# KiCad board hackrf-one.kicad_pcb (continued)
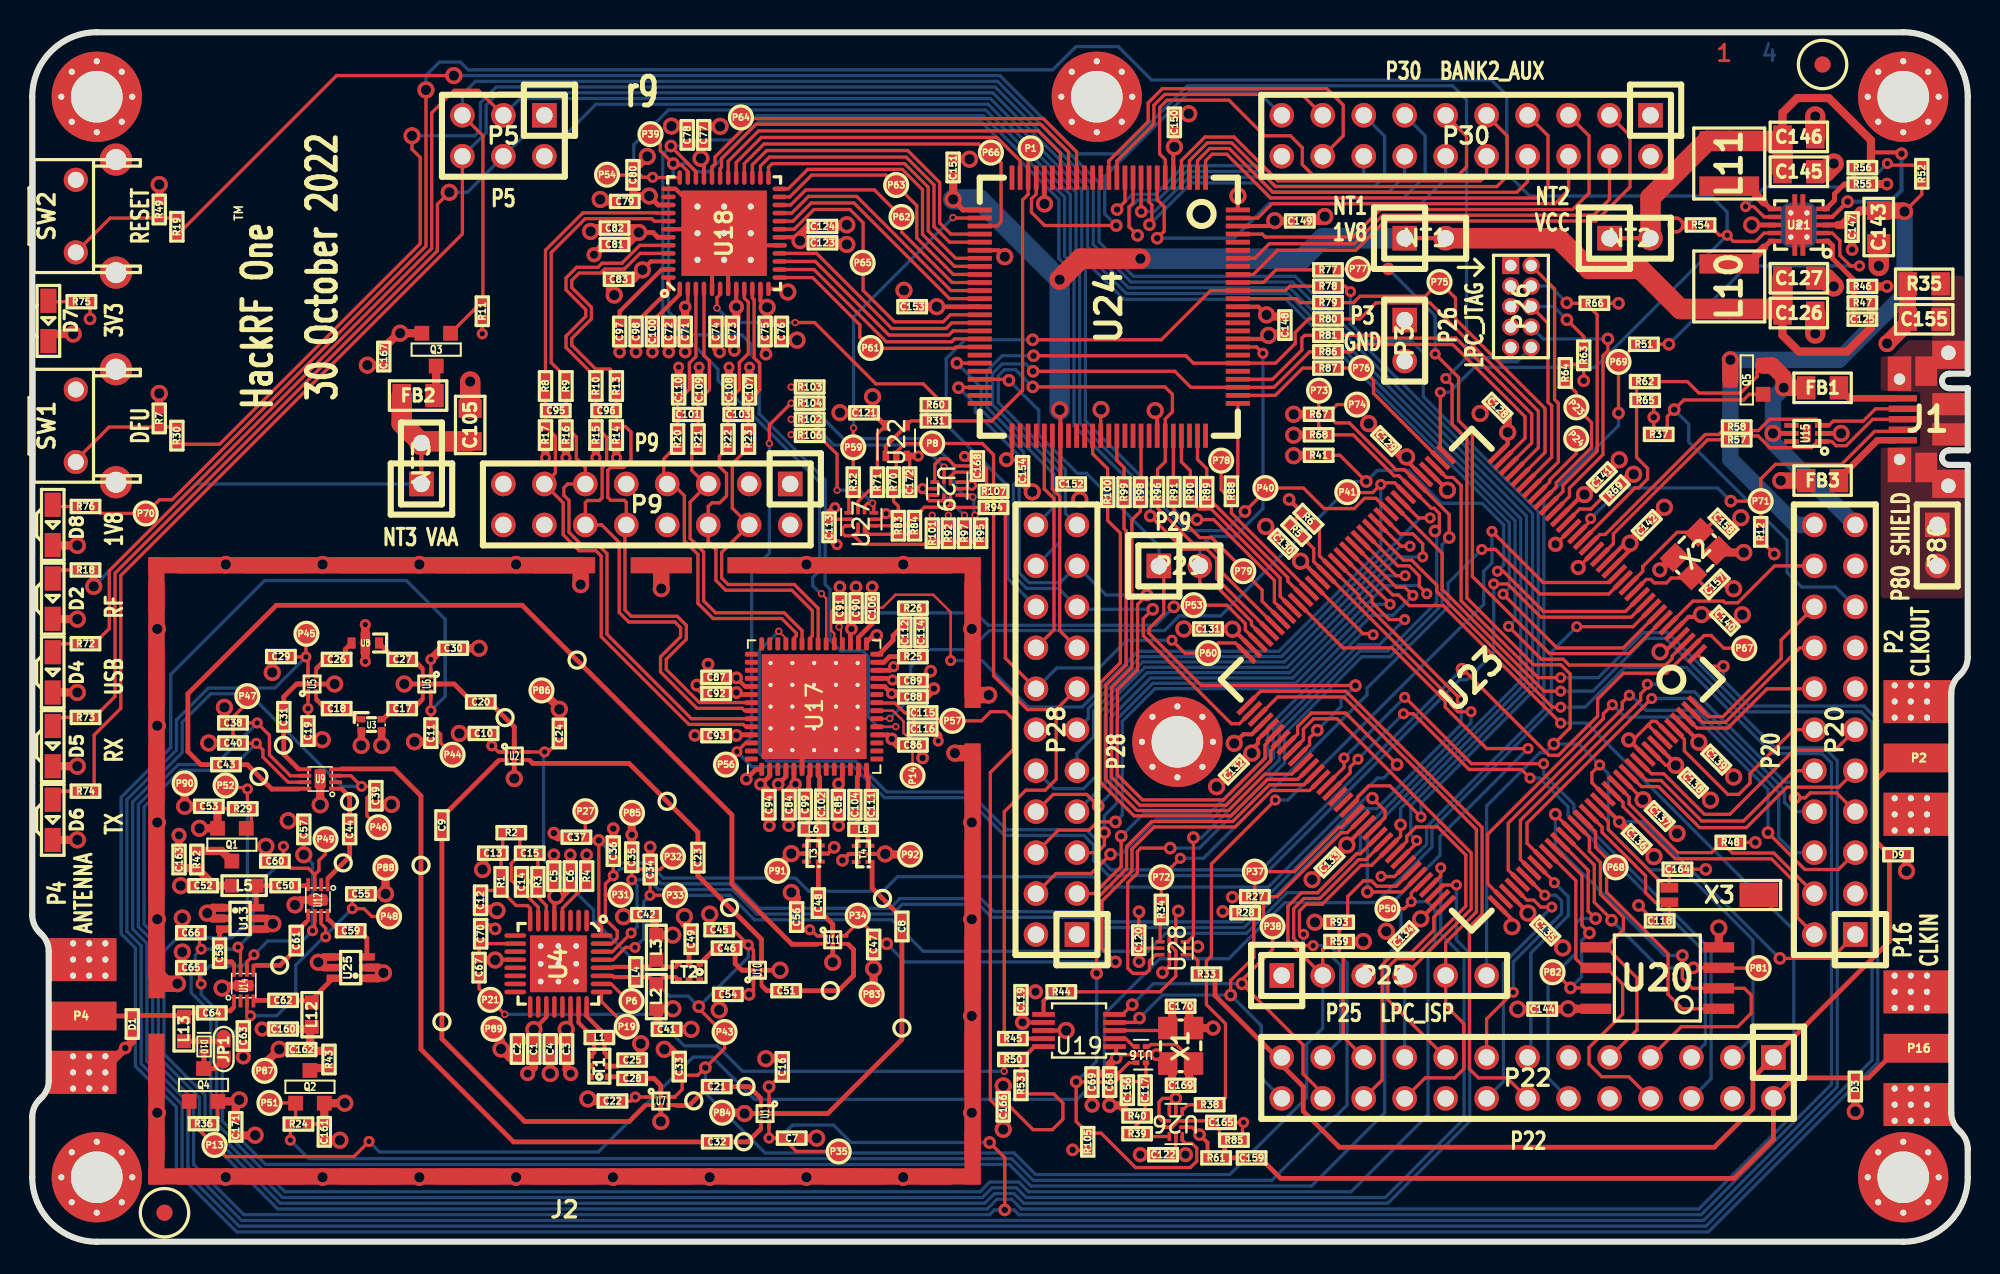
[diagram p0: board, top side]
## Routing (per net, layer and track width the routed paths; a pad name or vN(x,y) marks a point on that pad's centre or on a via; arc(x,y) is an arc through that point) (continued)
  C2 w1.4: 45.78,33.18 U17.0 ; U17.0 45.78,34.53 ; 45.78,31.83 U17.0 ; U17.0 U17.0 45.78,35.88 45.78,30.48 U17.0
  C4B w0.508: 3.12,10.51 4.26,10.51 v2(5.77,12.02)
  C4B w1.27: U4.0 U4.0 ; U4.0 U4.0 ; U4.0 U4.0 ; U4.0 U4.0 ; U4.0 U4.0 ; U4.0 U4.0 ; 44.55,64.19 41.24,60.89 ; 44.55,64.19 41.24,64.19 ; 44.55,64.19 U18.0 ; 41.24,60.89 U18.0 ; 41.24,60.89 41.24,64.19 ; U18.0 41.24,64.19 ; U18.0 42.9,64.19 ; U18.0 41.24,62.54 ; U21.0 110.03,62.3 109.03,62.3 U21.0 U21.0
  vias: v3(116.21,22.99)
VCC: length 123.1
  C1F w0.203: U23.131 99.87,27.41 v3(99.87,27.41) ; U16.5 67.4,11.6 v2(67.2,11.4) ; R71.2 52.4,50.11 U22.5 ; 58.08,46.91 58.24,46.91 v1(58.24,46.91) 58.24,47.11 58.6,47.47 C168.1 58.45,47.72 57.2,47.72 56.93,47.45 U29.1 ; 58.08,46.91 57.89,47.1 57.5,47.1 ; 58.08,46.91 57.86,46.7 57.5,46.7 ; v2(74.4,21.37) 74.43,21.4 R27.1 ; U27.9 49.43,44.8 C113.1 ; R75.2 v2(3.58,57.23) ; 69.93,18.2 68.63,18.2 C120.1 68.6,17.39 v2(68.62,17.37) ; R64.2 96.16,54.41 R63.2 v2(96.19,53.39) ; R48.1 v2(106.83,24.76) ; U23.136 101.28,29.54 v3(101.89,29.54) ; R11.1 v1(27.9,56.3) ; v2(72.37,6.64) 71.91,7.1 U26.1 ; v2(71.05,20.51) 70.9,20.36 70.9,18.78 ; U26.9 70.9,5.4 ; R102.2 v4(47.05,51) ; C154.1 61.23,48.5 v5(60.4,48.5) 60.75,48.85 U24.51 ; v2(70.07,16.69) 70.5,17.12 70.5,17.68 ; R12.1 v2(108,42.65) ; v2(73.81,20.48) 73.89,20.4 R28.1 ; R92.2 v4(56.8,45.05) ; R66.1 v2(98.35,58.19)
  C1F w0.241: R61.1 72.87,6.14 v2(72.37,6.64)
  C1F w0.254: v3(47.6,62.08) 47.39,62.29 46.34,62.29 ; v3(103.49,38.89) 103.35,38.75 102.68,38.75 U23.5 ; v3(75.62,30.3) 75.62,30.53 76,30.91 76,31.15 U23.77 ; R5.1 R6.1 v2(77.93,46.02) ; v3(91.47,50.19) 91.47,49.46 U23.36 ; v3(74.41,37.98) 74.46,37.98 U23.71 ; v2(67.2,11.4) 67.2,12 U19.1 ; v3(70.81,67.89) 70.75,67.82 U24.5 ; v3(78.63,42.2) 78.72,42.2 U23.59 ; U23.141 103.33,31.03 v3(103.33,30.98) ; C119.1 61.4,14.37 v5(61.4,13.6) U19.7 ; v3(85.21,48.67) 85.21,48.44 U23.41 ; U23.16 99.06,42.9 v3(99.06,43.31) 98.76,43.31 U23.17 ; v3(77.03,63.32) 76.7,62.98 U24.98 ; U24.88 76.02,57.98 v3(76.53,57.47) ; v3(92.73,20.38) 92.73,20.41 U23.111 ; v3(101.89,29.54) 101.89,29.64 U23.137 ; v3(81.51,24.6) 81.51,24.64 U23.94 ; v3(86.09,20.02) 86.09,20.03 U23.107 ; U23.25 96.13,46.33 v3(96.23,46.33)
  C1F w0.279: v3(56.08,57.98) U24.38
  C1F w0.305: U22.5 52.87,50.63 C121.1 52.1,52.4 v3(52.1,52.4)
  C1F w0.508: v3(77.03,63.32) 77.05,63.3 C149.1 ; v3(74.41,37.98) 74.39,38 C131.1 ; C132.1 75.51,30.3 v3(75.62,30.3) ; v3(99.87,27.41) 99.89,27.41 C137.1 ; v3(103.49,38.89) 103.5,38.9 C140.1 ; C123.1 48.42,61.98 47.7,61.98 v3(47.6,62.08) 47.6,62.43 48.13,62.96 C124.1 ; U20.8 v3(95.22,14.45) 95.19,14.42 C144.1 ; C133.1 v3(81.51,24.6) ; v5(71.5,5.4) C122.1 ; C129.1 84.92,48.67 v3(85.21,48.67) ; C69.1 C68.1 66.8,11 v2(67.2,11.4) ; R67.2 v3(78.21,51.31) ; C150.1 v3(70.81,67.89) ; C135.1 v3(92.73,20.38) ; C141.1 v3(96.23,46.33) ; C134.1 v3(86.09,20.02) ; C113.1 49.4,45.15 v1(49.77,45.52) ; v3(76.53,57.47) 76.63,57.37 C148.1 ; C153.1 v3(56.08,57.98) ; C139.1 v3(103.33,30.98) ; C167.1 22.71,56.34 v3(22.81,56.34) Q3.2 ; R59.1 v3(82.52,18.62) ; C138.1 v3(101.89,29.54) ; C130.1 v3(78.63,42.2) ; v3(99.06,43.31) 99.06,43.41 C142.1 ; v3(91.47,50.19) 91.47,51.09 C128.1 ; R49.1 v3(7.87,65.56)
  C3 w0.508: v3(56.08,57.98) 56.08,58.88 54.1,60.86 49.99,60.86 48.77,62.08 v3(47.6,62.08)
!ANT_BIAS: length 114.4
  C1F w0.203: v1(20.88,6.22) 19.94,5.28 12.02,5.28 P13.1 10.08,7.22 R36.1 9.73,7.68 Q4.1 ; U23.9 99.25,38.14 v1(95.76,38.14)
  C4B w0.203: v1(20.88,6.22) 21.53,5.57 35.1,5.57 40.98,11.45 42.17,11.45 44.79,8.83 64.79,8.83 66.48,10.52 66.48,14.12 69.91,17.55 74.18,17.55 77.66,21.03 83.33,21.03 86.78,24.48 86.78,25.58 94.18,32.98 94.18,36.56 v1(95.76,38.14)
!MIX_BYPASS: length 227.1
  C1F w0.203: C38.2 v1(13.94,32.17) 14.7,31.41 14.7,30.19 16,28.9 16.96,28.9 ; v1(94.76,33.15) 94.25,33.15 87.08,40.32 87.08,40.71 85.52,42.27 85.02,42.27 U23.50 ; v2(59.35,6.15) 60.29,5.21 v2(60.29,1.98) ; 45.68,7.41 v1(45.68,6.43) 46.55,6.43 C7.2 47.37,5.6 P35.1
  C4B w0.203: v1(94.76,33.15) 96.27,33.15 98.73,35.61 102.55,35.61 107.89,30.27 110.97,30.27 111.55,29.69 111.55,9.75 103.47,1.68 61.18,1.68 60.88,1.98 v2(60.29,1.98) 59.65,1.98 59.35,1.68 13.12,1.68 10,4.79 10,8.79 7.46,11.33 7.46,18.65 6.58,19.54 6.58,27.12 9.05,29.59 11.36,29.59 v1(13.94,32.17) ; v1(45.68,6.43) 46.33,6.43 47.14,7.23 49.68,7.23 50.76,6.15 v2(59.35,6.15)
!RX_AMP_PWR: length 129.8
  C1F w0.203: U23.106 87.47,22.12 v1(88.3,22.12) ; P52.1 12.11,28.16 13.25,28.16 v1(13.34,28.07) 13.34,27.09 R29.2 13.58,25.95 Q1.1
  C4B w0.203: v1(13.34,28.07) 13.34,19.82 12.37,18.85 8.99,18.85 8.17,18.03 8.17,11.63 10.71,9.09 10.71,7.04 15.37,2.39 59.06,2.39 59.66,2.99 60.87,2.99 61.47,2.39 84.04,2.39 89.13,7.47 89.13,17.88 88.3,18.71 v1(88.3,22.12)
!TX_AMP_PWR: length 94.4
  C1F w0.203: P51.1 16.31,8.61 Q2.1 16.33,7.66 R24.1 16,7.27 v1(16,6.3) ; v1(79.41,18.36) 78.66,18.36 78.21,18.82 78.21,20.66 78.84,21.29 79.83,21.29 82.24,23.7 82.69,23.7 U23.97
  C4B w0.203: v1(79.41,18.36) 80.45,18.36 81.52,17.29 81.52,8.48 76.85,3.81 62.06,3.81 60.72,5.15 17.15,5.15 v1(16,6.3)
!VAA_ENABLE: length 121.2
  C1F w0.203: Q3.1 27.94,58.34 27.94,68.58 P5.5 ; v1(85.83,24.88) 85.83,24.72 U23.100
  C4B w0.203: v1(85.83,24.88) 85.47,25.24 85.47,27.04 93.02,34.59 93.02,45.15 78.3,59.87 68.27,59.87 66.14,62 66.14,65.67 59.85,71.96 27.48,71.96 26.67,71.15 P5.5
/Baseband/COM: length 4.8
  C1F w0.254: U18.47 39.02,60.29 36.42,57.69 C97.1
/Baseband/CPOUT+: length 2.8
  C1F w0.293: C112.2 54.07,37.22 R25.1 53.15,36.28 52.8,35.93 U17.27
/Baseband/CPOUT-: length 3.7
  C1F w0.293: U17.28 52.5,36.43 53.37,37.3 53.37,37.59 C112.1 54.07,38.35 R26.1
/Baseband/IA+: length 9.4
  C1F w0.203: U18.3 41.15,54.89 40.74,54.48 40.74,52.86 40.18,52.3 C110.1 ; R20.1 40.01,51.2 C101.1 40.01,51.4 40.01,52.29
/Baseband/IA-: length 9.3
  C1F w0.203: U18.4 41.65,54.95 41.98,54.62 41.98,52.84 41.45,52.3 C109.1 ; R21.1 41.28,51.2 C101.2 41.28,51.4 41.28,52.29
/Baseband/ID+: length 15.4
  C1F w0.203: U18.45 37.68,61.29 36.71,60.32 35.49,60.32 35.25,60.07 33.9,60.07 33.45,59.62 33.45,59.17 34.67,57.95 34.67,57.23 33.45,56.01 33.45,55.59 34.93,54.12 35.81,54.12 36.22,53.71 R13.1
/Baseband/ID-: length 15.1
  C1F w0.203: R10.1 33.1,55.45 33.1,56.16 34.31,57.38 34.31,57.8 33.1,59.02 33.1,59.77 33.76,60.43 35.08,60.43 35.33,60.68 36.56,60.68 37.68,61.79 U18.44
/Baseband/QA+: length 9.4
  C1F w0.203: R23.1 44.41,51.2 C103.2 44.41,51.4 44.41,52.29 ; C107.1 44.57,52.3 45.11,52.84 45.11,54.46 44.75,54.81 44.75,58.42 44.65,58.53 U18.10
/Baseband/QA-: length 9.5
  C1F w0.203: R22.1 43.14,51.2 C103.1 43.14,51.4 43.14,52.29 ; C108.1 43.3,52.3 43.84,52.84 43.84,54.51 44.39,55.07 44.39,58.27 44.15,58.52 U18.9
/Baseband/QD+: length 16.5
  C1F w0.203: R8.1 31.82,61.48 34.14,63.8 38.69,63.8 38.7,63.79 U18.40
/Baseband/QD-: length 16.3
  C1F w0.203: R9.1 32.18,54.51 32.18,61.34 34.28,63.44 38.41,63.44 38.56,63.29 U18.41
/Baseband/REFN: length 3.6
  C1F w0.254: U18.48 39.45,58.99 C98.1
/Baseband/REFP: length 2.8
  C1F w0.254: C100.1 38.45,57.05 40.14,58.75 40.14,59.09
/Baseband/RXBBI+: length 18.8
  C1F w0.203: 47.22,37.07 47.22,37.43 47.37,37.57 47.37,37.75 46.47,38.65 42.21,38.65 41.27,39.59 41.27,42.63 40.43,43.46 40.43,46.26 39.7,46.99 P9.7 39.15,47.21 39.15,48.54 39.85,49.24 40.01,49.24
/Baseband/RXBBI-: length 18.7
  C1F w0.203: 47.72,37.07 47.72,37.9 46.62,39 42.36,39 41.63,39.74 41.63,42.77 40.79,43.61 40.79,45.87 P9.5 41.73,46.99 40.89,47.83 40.89,48.85 41.28,49.24
/Baseband/RXBBQ+: length 18.5
  C1F w0.203: 48.22,37.07 48.22,37.43 48.37,37.58 48.37,39.13 47.1,40.4 43,40.4 42.39,41.01 42.39,42.92 41.91,43.4 P9.6 41.91,45.59 42.14,45.82 42.62,45.82 43.05,46.25 43.05,47.62 42.6,48.07 42.6,48.7 43.14,49.24
/Baseband/RXBBQ-: length 18.6
  C1F w0.203: 44.41,49.24 43.4,48.24 43.4,45.5 P9.4 42.74,42.74 42.74,41.16 43.14,40.76 47.25,40.76 48.72,39.28 48.72,37.07
/Baseband/TXBBI+: length 30.4
  C1F w0.203: R10.2 34.95,51.64 C96.1 34.95,51.44 R15.1 35.61,49.88 35.61,48.26 35.33,47.98 35.33,46.13 35.16,45.96 34.42,45.96 34.29,45.83 P9.12 35.31,44.45 36.39,43.36 36.39,39.02 36.98,38.43 39.84,38.43 40.2,38.07 40.2,37.51 38.95,36.27 38.95,35.33 41.21,33.08 44.02,33.08 44.17,32.93 U17.50
/Baseband/TXBBI-: length 29.8
  C1F w0.203: R13.2 36.22,51.64 C96.2 36.22,51.44 R14.1 36.78,50.55 37.12,50.21 37.12,48.47 36.65,48.01 35.86,48.01 35.69,47.83 35.69,46.15 35.86,45.98 36.71,45.98 36.83,45.85 P9.10 36.75,44.37 36.75,39.17 37.13,38.79 39.99,38.79 40.55,38.22 40.55,37.36 39.31,36.12 39.31,35.48 41.36,33.43 U17.49
/Baseband/TXBBQ+: length 29.5
  C1F w0.203: U17.51 40.86,32.43 35.63,37.67 35.63,42.67 35.1,43.21 34.06,43.21 33.27,44 33.27,45.97 32.96,46.28 32.96,46.75 33.2,46.99 P9.11 34.29,48.02 33.73,48.58 33.73,49.91 R16.1 33.09,51.44 C95.2 33.09,51.64 R9.2
/Baseband/TXBBQ-: length 29.3
  C1F w0.203: R8.2 31.82,51.64 C95.1 31.82,51.44 R17.1 32.44,49.93 32.44,47.68 P9.13 32.92,45.82 32.92,43.84 33.91,42.85 34.95,42.85 35.28,42.52 35.28,37.52 40.72,32.08 44.08,32.08 44.22,31.93 U17.52
/Baseband/XCVR_CLKOUT: length 5.6
  C1F w0.152: P14.1 54.58,31.15 54.43,31.3 54.27,31.3 54.02,31.55 54.02,32.27 53.36,32.93 U17.21
/Baseband/XTAL2: length 3.6
  C1F w0.203: U17.22 52.4,33.4 53.49,33.4 54.09,32.8 C115.2 C116.1
/Clock/CLK0: length 2.8
  C1F w0.254: 61.33,10.2 R50.2 62.13,12.1 U19.10
/Clock/CLK1: length 1.4
  C1F w0.254: U19.9 R45.2
/Clock/CLK2: length 1.6
  C1F w0.254: U19.6 62.7,14.93 R44.1
/Clock/XA: length 1.6
  C1F w0.203: U16.4 68.29,12.1 67.79,12.6 U19.2
/Clock/XB: length 4.7
  C1F w0.203: X1.3 70.25,13.1 67.2,13.1
  C1F w0.508: C170.2 70.67,13.52 X1.3
/Front End/REF_IN: length 3.3
  C1F w0.203: U4.10 27.88,18.49 C70.1 27.7,18.47 C67.2
/Front End/RX_AMP_IN: length 0.9
  C1F w0.293: 12.48,17.23 12.36,17.36 C58.1
/Front End/RX_AMP_OUT: length 0.8
  C1F w0.293: C50.2 17.03,22.08
/Front End/TX_AMP_IN: length 1
  C1F w0.293: C59.1 19.07,19.29 18.43,19.92
/Front End/TX_AMP_OUT: length 1.2
  C1F w0.293: C62.1 13.86,14.97
/Microcontroller, CPLD, USB, Power/ADC0_0: length 10.7
  C1F w0.203: P20.20 108.03,41.91 105.74,39.62 104.95,39.62 104.85,39.73 102.96,39.73 U23.6
/Microcontroller, CPLD, USB, Power/ADC0_2: length 9.8
  C1F w0.203: P20.16 109.6,36.83 104.97,32.21 103.56,32.21 U23.143
/Microcontroller, CPLD, USB, Power/ADC0_5: length 11.1
  C1F w0.203: P20.18 108.43,37.31 108.43,36.17 104.83,32.56 103.92,32.56 U23.144
/Microcontroller, CPLD, USB, Power/ADC0_6: length 9.3
  C1F w0.203: P20.14 107.56,34.29 105.12,31.85 103.21,31.85 U23.142
/Microcontroller, CPLD, USB, Power/B1AUX13: length 13.9
  C1F w0.203: P28.16 63.35,37.95 63.35,46.08 62.75,46.68 U24.55
/Microcontroller, CPLD, USB, Power/B1AUX14: length 13.8
  C1F w0.203: U24.56 63.25,46.69 63.7,46.23 63.7,37.9 P28.15
/Microcontroller, CPLD, USB, Power/B2AUX1: length 22.2
  C1F w0.203: P30.18 81.28,68.58 81.28,70.48 80.26,71.5 70.06,71.5 69.18,70.62 69.18,69.46 66.75,67.02 U24.13
/Microcontroller, CPLD, USB, Power/B2AUX2: length 16.7
  C1F w0.203: P30.17 78.71,71.15 70.21,71.15 69.54,70.47 69.54,69.31 67.25,67.02 U24.12
/Microcontroller, CPLD, USB, Power/B2AUX3: length 20.2
  C1F w0.203: v2(67.26,64.01) 67.75,64.5 U24.11
  C4B w0.203: v2(67.26,64.01) 68.2,64.95 69.64,64.95 71.41,66.73 76.26,66.73 77.18,65.81 82.17,65.81 82.55,66.19 P30.16
/Microcontroller, CPLD, USB, Power/B2AUX4: length 27.5
  C1F w0.203: v2(68.53,62.41) 68,62.94 68,64.16 68.25,64.41 U24.10
  C4B w0.203: v2(68.53,62.41) 68.05,62.89 68.05,64.11 68.53,64.59 69.78,64.59 71.56,66.37 76.11,66.37 77.03,65.46 83.24,65.46 83.85,66.07 83.85,68.55 P30.15
/Microcontroller, CPLD, USB, Power/B2AUX5: length 21.3
  C1F w0.203: v2(68.76,63.88) 68.74,63.89 U24.9
  C4B w0.203: v2(68.76,63.88) 69.58,63.88 71.71,66.01 75.97,66.01 76.88,65.1 84.1,65.1 85.09,66.09 P30.14
/Microcontroller, CPLD, USB, Power/B2AUX6: length 26.5
  C1F w0.203: v2(69.27,63.07) 69.42,63.22 69.42,64.29 69.25,64.46 U24.8
  C4B w0.203: v2(69.27,63.07) 71.86,65.66 75.82,65.66 76.73,64.74 85.04,64.74 86.36,66.07 86.36,68.58 P30.13
/Microcontroller, CPLD, USB, Power/B2AUX7: length 24.9
  C1F w0.203: v2(69.75,62.23) 70.18,62.66 70.18,64.19 69.75,64.62 U24.7
  C4B w0.203: v2(69.75,62.23) 74.52,62.23 76.68,64.39 86.11,64.39 87.63,65.91 P30.12
/Microcontroller, CPLD, USB, Power/B2AUX8: length 30.2
  C1F w0.203: P30.11 88.93,68.55 88.93,66.65 88.42,66.14 79.4,66.14 78.74,66.8 78.74,67.84 78,68.58 76.4,68.58 74.19,70.79 70.36,70.79 69.9,70.33 69.9,67.46 70.25,67.11 U24.6
/Microcontroller, CPLD, USB, Power/B2AUX9: length 23
  C1F w0.203: P30.10 90.17,66.17 89.79,65.79 77.23,65.79 74.51,68.5 72.71,68.5 71.25,67.04 U24.4
/Microcontroller, CPLD, USB, Power/B2AUX10: length 26.9
  C1F w0.203: P30.9 91.44,68.58 91.44,66.07 90.81,65.43 77.08,65.43 74.36,68.15 72.86,68.15 71.75,67.04 U24.3
/Microcontroller, CPLD, USB, Power/B2AUX11: length 24.8
  C1F w0.203: P30.8 92.71,65.74 92.05,65.07 76.93,65.07 74.21,67.79 73,67.79 72.25,67.03 U24.2
/Microcontroller, CPLD, USB, Power/B2AUX12: length 28.8
  C1F w0.203: P30.7 93.98,68.58 93.98,65.38 93.32,64.72 76.78,64.72 74.07,67.44 73.15,67.44 72.75,67.03 U24.1
/Microcontroller, CPLD, USB, Power/B2AUX13: length 23.3
  C1F w0.203: P30.6 95.25,65.2 94.41,64.36 76.86,64.36 75.98,63.48 U24.99
/Microcontroller, CPLD, USB, Power/B2AUX14: length 28.3
  C1F w0.203: P30.5 96.52,68.58 96.52,65.02 95.5,64.01 83.58,64.01 81.87,62.3 76.45,62.3 76.27,62.48 U24.97
/Microcontroller, CPLD, USB, Power/B2AUX15: length 27.2
  C1F w0.203: P30.4 97.79,64.64 96.8,63.65 83.72,63.65 81.96,61.89 76.7,61.89 75.8,60.98 U24.94
/Microcontroller, CPLD, USB, Power/B2AUX16: length 31.5
  C1F w0.203: P30.3 99.06,68.58 99.06,65.41 96.95,63.3 83.87,63.3 82.05,61.48 77.2,61.48 75.7,59.98 U24.92
/Microcontroller, CPLD, USB, Power/BANK2F3M1: length 5.4
  C1F w0.203: R77.2 77.11,60.27 76.32,59.48 U24.91
/Microcontroller, CPLD, USB, Power/BANK2F3M2: length 42.7
  C1F w0.203: v2(62.03,55.93) 70,55.93 73.05,58.98 U24.90 77.7,58.98 77.97,59.25 R78.2
  C4B w0.203: v2(62.03,55.93) 57.84,55.93 56.67,54.76 56.67,50.67 60.48,46.86 60.48,41.12 P28.18
/Microcontroller, CPLD, USB, Power/BANK2F3M3: length 5.2
  C1F w0.203: U24.89 78.36,58.48 78.61,58.24 R79.2
/Microcontroller, CPLD, USB, Power/BANK2F3M4: length 34.5
  C1F w0.203: v2(62.08,54.94) 71.53,54.94 71.98,54.48 U24.81 77.09,54.48 78.3,55.7 78.3,56.38 79.14,57.22 R80.2
  C4B w0.203: v2(62.08,54.94) 60.13,54.94 59.18,53.99 59.18,51.76 63.35,47.59 63.35,45.57 P28.22
/Microcontroller, CPLD, USB, Power/BANK2F3M5: length 6.6
  C1F w0.203: U24.79 76.9,53.48 78.71,55.29 78.71,56.03 78.89,56.2 R81.2
/Microcontroller, CPLD, USB, Power/BANK2F3M6: length 36.3
  C1F w0.203: v2(62.05,53.97) 70.84,53.97 71.83,52.98 U24.78 76.98,52.98 79.19,55.19 R86.2
  C4B w0.203: v2(62.05,53.97) 61.59,54.43 60.13,54.43 59.54,53.84 59.54,51.9 63.7,47.74 63.7,43.38 P28.20
/Microcontroller, CPLD, USB, Power/BANK2F3M7: length 5.8
  C1F w0.203: U24.77 77.07,52.48 78.76,54.17 R87.2
/Microcontroller, CPLD, USB, Power/BANK2F3M8: length 5.1
  C1F w0.203: R88.2 74.75,47.47 U24.76
/Microcontroller, CPLD, USB, Power/BANK2F3M9: length 3.2
  C1F w0.203: U24.74 72.25,48.51 72.82,47.94 R89.2
/Microcontroller, CPLD, USB, Power/BANK2F3M10: length 3.2
  C1F w0.203: U24.72 71.25,48.36 71.8,47.81 R90.2
/Microcontroller, CPLD, USB, Power/BANK2F3M11: length 3
  C1F w0.203: R91.2 70.75,47.07 U24.71
/Microcontroller, CPLD, USB, Power/BANK2F3M12: length 28.7
  C1F w0.203: R96.2 69.77,47.9 70.25,48.38 U24.70 70.25,51.02 70.69,51.46 70.69,52.55 70.23,53.01 v2(62.03,53.01)
  C4B w0.203: v2(62.03,53.01) 60.96,54.08 60.27,54.08 59.89,53.7 59.89,52.05 64.06,47.88 64.06,45.16 P28.21
/Microcontroller, CPLD, USB, Power/BANK2F3M14: length 3
  C1F w0.203: R98.2 68.74,47.05 U24.67
/Microcontroller, CPLD, USB, Power/BANK2F3M15: length 3.1
  C1F w0.203: R99.2 67.69,48.01 67.25,48.45 U24.64
/Microcontroller, CPLD, USB, Power/BANK2F3M16: length 3.4
  C1F w0.203: R100.2 66.67,47.93 65.75,48.86 U24.61
/Microcontroller, CPLD, USB, Power/CPLD_TCK: length 35.3
  C1F w0.203: v2(57.43,52.96) 57.45,52.98 U24.48 ; v2(69.47,39.22) 68.88,38.63 68.88,37.58 74.34,32.12 74.85,32.12 U23.74
  C4B w0.203: v2(57.43,52.96) 58.47,51.92 58.47,51.46 61.11,48.82 61.11,47.22 60.83,46.94 60.83,41.33 61.65,40.51 63.63,40.51 P28.17 64.92,39.22 v2(69.47,39.22)
/Microcontroller, CPLD, USB, Power/CPLD_TDI: length 50.2
  C1F w0.203: v2(57.33,54.48) 57.33,54.48 U24.45 ; U23.78 77.05,31.43 76.43,30.81 76.43,29.97 73.86,27.4 68.83,27.4 67.28,28.95 67.28,34.21 68.53,35.46 68.53,39.52 v2(69.11,40.11)
  C4B w0.203: v2(57.33,54.48) 58.83,52.98 58.83,51.61 61.47,48.97 61.47,47.07 61.19,46.79 61.19,41.48 61.8,40.87 63.73,40.87 P28.19 66.57,40.11 v2(69.11,40.11)
/Microcontroller, CPLD, USB, Power/CPLD_TDO: length 23.9
  C1F w0.203: v1(76.3,55.09) 75.91,55.48 U24.83 ; P29.2 72.39,40.84 72.69,40.54 73.52,40.54 75.59,38.47 75.59,38.26 U23.69
  C4B w0.203: P29.2 72.39,43.08 73.05,43.74 74.57,43.74 76.3,45.47 v1(76.3,55.09)
/Microcontroller, CPLD, USB, Power/CPLD_TMS: length 42.2
  C1F w0.203: v2(82.04,34.49) 82.03,34.49 72.48,34.49 69.24,37.73 69.24,38.02 70.15,38.94 70.15,41.61 P29.1 ; v2(79.67,31.72) 79.19,31.24 79.19,30.81 U23.82 ; v2(60.55,53.42) 60.49,53.48 U24.47
  C4B w0.203: v2(82.04,34.49) 81.15,33.6 81.15,33.19 v2(79.67,31.72) ; v2(60.55,53.42) 62.4,51.57 62.4,50.04 64.8,47.65 65.35,47.65 69.85,43.15 P29.1
/Microcontroller, CPLD, USB, Power/DBGEN: length 9.3
  C1F w0.203: R64.1 95.73,52.65 P23.1 96.67,50.8 96.67,49.25 94.49,47.07 94.49,46.81 U23.28
/Microcontroller, CPLD, USB, Power/DM: length 11.7
  C1F w0.203: U23.20 97.19,43.85 97.52,43.85 103.72,50.06 104.56,50.06 105.03,50.53 R58.1
/Microcontroller, CPLD, USB, Power/DP: length 11.3
  C1F w0.203: R57.1 103.86,49.72 98.03,43.89 98.03,43.28 U23.18
/Microcontroller, CPLD, USB, Power/EN1V8: length 159
  C1F w0.203: v3(24.41,71.42) 24.41,61.74 8.68,46.01 7.88,46.01 P70.1 4.27,45.16 R76.2 ; 108.03,62.55 107.38,62.55 106.86,62.03 105.47,62.03 v1(105.09,62.41) 104.6,62.41 R54.2 ; U23.37 87.3,49.18 v1(87.3,52.67)
  C4B w0.203: v1(87.3,52.67) 87.86,52.67 89.41,54.22 96.89,54.22 v1(105.09,62.41) 105.09,63.85 104.09,64.85 92.84,64.85 91.41,66.27 91.41,71.09 90.47,72.04 69.4,72.04 67.33,74.11 64.71,74.11 63.27,72.67 27.03,72.67 26.54,73.15 25.25,73.15 24.41,72.31 v3(24.41,71.42)
/Microcontroller, CPLD, USB, Power/GCK0: length 25
  C1F w0.203: v2(67.21,63.02) 62.76,63.02 61.95,63.83 61.95,64.67 62.25,64.96 U24.22
  C4B w0.203: v2(67.21,63.02) 66.49,63.73 66.49,66.06 71.76,71.33 75.99,71.33 P30.19
/Microcontroller, CPLD, USB, Power/GPIO3_8: length 36.9
  C1F w0.203: v1(97.97,33.3) 97.41,32.74 97.41,32.44 90.24,25.27 90.24,22.2 U23.110 ; v2(107.61,25.37) 109.9,23.08 111.98,23.08 P20.5
  C4B w0.203: v1(97.97,33.3) 98.73,32.54 103.11,32.54 107.61,28.04 v2(107.61,25.37)
/Microcontroller, CPLD, USB, Power/GPIO3_9: length 32.2
  C1F w0.203: U23.113 91.51,23.05 91.51,25.96 98.58,33.03 98.58,33.44 v1(99.02,33.89)
  C4B w0.203: v1(99.02,33.89) 99.13,33.89 100.06,32.95 103.2,32.95 108.28,27.87 108.28,25.07 109.22,24.13 P20.6
/Microcontroller, CPLD, USB, Power/GPIO3_10: length 31.9
  C1F w0.203: v2(109.29,27.53) 109.93,27.53 110.23,27.83 111.87,27.83 P20.7 ; v1(100.13,34.57) 100.13,34.39 99.72,33.98 99.72,33.59 92.27,26.13 92.27,23.71 U23.115
  C4B w0.203: v2(109.29,27.53) 109.29,28.19 108.99,28.49 108.67,28.49 103.06,34.1 101.17,34.1 100.71,34.57 v1(100.13,34.57)
/Microcontroller, CPLD, USB, Power/GPIO3_11: length 27
  C1F w0.203: v1(100.4,33.69) 92.68,25.97 92.68,24.71 U23.117
  C4B w0.203: v1(100.4,33.69) 102.97,33.69 108.64,28.02 108.64,27.25 109.22,26.67 P20.8
/Microcontroller, CPLD, USB, Power/GPIO3_12: length 16.9
  C1F w0.203: P20.9 112.01,28.19 108.78,28.19 106.27,25.68 103.38,25.68 100.83,28.22 99.77,28.22 U23.132
/Microcontroller, CPLD, USB, Power/GPIO3_13: length 13.8
  C1F w0.203: P20.10 109.22,29.21 106.1,26.09 103.5,26.09 100.99,28.61 100.1,28.61 U23.133
/Microcontroller, CPLD, USB, Power/GPIO3_14: length 16.9
  C1F w0.203: P20.11 111.76,30.48 109.22,30.48 105.24,26.5 103.67,26.5 101.16,29.02 100.39,29.02 U23.134
/Microcontroller, CPLD, USB, Power/GPIO3_15: length 12.9
  C1F w0.203: U23.140 101.8,31.78 102.43,31.15 102.43,30.44 105.12,27.74 105.81,27.74 106.5,28.44 106.5,29.03 109.22,31.75 P20.12
/Microcontroller, CPLD, USB, Power/I2C1_SCL: length 38.6
  C1F w0.203: v1(85.01,32.74) 85.63,32.74 89.08,29.29 92.33,29.29 v1(92.86,28.75) ; v1(82.19,29.92) 81.71,29.44 81.71,29.09 U23.88
  C4B w0.203: v1(92.86,28.75) 93.45,28.75 95.22,26.97 95.22,26.44 103.73,17.93 103.73,12.29 P22.5 ; v1(85.01,32.74) v1(82.19,29.92)
/Microcontroller, CPLD, USB, Power/I2C1_SDA: length 43.3
  C1F w0.203: v1(81.33,30) 81.33,29.41 U23.87 ; v1(93.7,29.64) 89.23,29.64 85.12,33.76 v1(85.09,33.76)
  C4B w0.203: v1(93.7,29.64) 93.7,29 95.58,27.12 95.58,26.59 104.09,18.08 104.09,10.11 P22.6 ; v1(81.33,30) v1(85.09,33.76)
/Microcontroller, CPLD, USB, Power/I2S0_RX_MCLK: length 38.1
  C1F w0.203: P22.14 91.44,10.16 89.66,10.16 89.1,10.72 89.1,19.52 89.89,20.3 89.89,25.69 81.44,34.14 76.15,34.14 U23.73
/Microcontroller, CPLD, USB, Power/I2S0_RX_SCK: length 19.1
  C1F w0.203: v2(96.93,20.04) 96.46,20.5 96.46,23.04 U23.120
  C4B w0.203: P22.12 93.98,10.16 93.98,16.15 95.7,17.88 95.7,19.73 96.01,20.04 v2(96.93,20.04)
/Microcontroller, CPLD, USB, Power/I2S0_RX_SDA: length 13.8
  C1F w0.203: v1(94.37,22.27) 94.37,22.31 U23.116
  C4B w0.203: P22.13 92.91,11.63 92.91,17.9 95.23,20.22 95.23,21.4 v1(94.37,22.27)
/Microcontroller, CPLD, USB, Power/I2S0_RX_WS: length 14.5
  C1F w0.203: v1(91.82,15.47) 90.17,13.82 P22.15 ; v1(93.78,21.49) 93.77,21.49 U23.114
  C4B w0.203: v1(91.82,15.47) 91.82,17.35 94.82,20.35 94.82,21.14 94.46,21.49 v1(93.78,21.49)
/Microcontroller, CPLD, USB, Power/I2S0_TX_MCLK: length 22.7
  C1F w0.203: P22.17 84.05,15.01 84.05,17.02 84.58,17.55 85.63,17.55 88.88,20.8 88.88,23.98 87.14,25.72 85.79,25.72 85.22,25.15 85.22,24.82 U23.99
/Microcontroller, CPLD, USB, Power/I2S0_TX_SCK: length 16.3
  C1F w0.203: v1(94.21,20.75) 93.52,20.75 93.09,21.18 92.67,21.18 U23.112
  C4B w0.203: P22.16 91.21,9.93 91.21,17.25 93.66,19.7 93.66,20.21 v1(94.21,20.75)
/Microcontroller, CPLD, USB, Power/ID: length 25.3
  C1F w0.203: 115.47,50.35 115.38,50.25 114.22,50.25 112.18,48.21 108.08,48.21 107.16,47.29 P71.1 ; v1(96.62,44.84) 96.62,44.7 U23.22 ; P71.1 R12.2 ; P71.1 v2(105.31,45.92)
  C4B w0.203: v2(105.31,45.92) 104.49,46.74 98.52,46.74 v1(96.62,44.84)
/Microcontroller, CPLD, USB, Power/LED1: length 142.8
  C1F w0.203: P5.3 27.66,71.4 26.16,71.4 24.77,70 24.77,61.59 4.78,41.61 4.78,38.02 R72.2 ; U23.3 101.68,36.32 101.68,36.17 101.27,35.76 95.28,35.76 94.92,36.12 93.57,36.12 v1(91.53,38.16)
  C4B w0.203: v1(91.53,38.16) 91.93,38.56 91.93,44.71 77.84,58.8 67.82,58.8 65.07,61.56 65.07,65.23 59.4,70.89 30.25,70.89 P5.3
/Microcontroller, CPLD, USB, Power/LED2: length 139
  C1F w0.203: v3(25.86,65.07) 25.12,64.34 25.12,61.45 5.13,41.46 5.13,33.81 R73.2 ; U23.8 98.64,36.82 94.53,36.82 v1(91.19,40.16)
  C4B w0.203: v3(25.86,65.07) 26.97,65.07 P5.4 30.48,68.58 32.99,68.58 34.95,70.54 59.26,70.54 64.71,65.08 64.71,61.41 67.68,58.45 77.71,58.45 91.58,44.58 91.58,40.55 v1(91.19,40.16)
/Microcontroller, CPLD, USB, Power/LED3: length 160.8
  C1F w0.203: v2(82.78,21.69) 84.92,21.69 U23.103 ; P5.6 26.67,62.49 5.49,41.31 5.49,33.07 3.84,31.42 R74.2
  C4B w0.203: P5.6 28.14,68.78 28.14,70.48 28.91,71.25 59.55,71.25 65.43,65.37 65.43,61.7 67.97,59.16 77.96,59.16 92.29,44.83 92.29,34.8 82.78,25.29 v2(82.78,21.69)
/Microcontroller, CPLD, USB, Power/P2_8: length 154.4
  C1F w0.203: v2(84.84,25.86) 84.84,25.14 U23.98 83.04,23.34 82.39,23.34 79.97,20.93 78.98,20.93 78.56,20.51 78.56,19.32 v1(78.82,19.06) ; v3(23.55,68.58) 23.55,67.74 24.05,67.23 24.05,61.89 11.62,49.45 R30.1
  C4B w0.203: v2(84.84,25.86) 84.84,26.88 92.64,34.68 92.64,45 78.13,59.51 68.12,59.51 65.78,61.85 65.78,65.52 59.7,71.6 28.76,71.6 27.79,70.63 27.79,68.93 27.44,68.58 v3(23.55,68.58) ; v1(78.82,19.06) 78.82,17.93 79.03,17.72 80.54,17.72 81.11,17.15 81.11,12.53 P22.23
/Microcontroller, CPLD, USB, Power/P2_9: length 15.7
  C1F w0.203: P22.21 81.28,12.7 81.28,17.6 81.03,17.86 81.03,19.28 R93.1 81.56,21.41 82.52,22.38 83.03,22.38 83.36,22.05 84.57,22.05 U23.102
/Microcontroller, CPLD, USB, Power/P2_13: length 14.7
  C1F w0.203: P22.22 83.69,10.03 83.69,17.17 84.43,17.91 85.48,17.91 86.89,19.32 86.89,20.13 U23.108
/Microcontroller, CPLD, USB, Power/REG_OUT1: length 34.3
  C1F w0.254: v2(115.9,67.47) 115.81,67.55 114,67.55 ; 111.03,63.55 111.61,63.55 v2(112.55,64.5)
  C1F w0.508: R56.1 114,68.31 111.38,70.92 109.43,70.92 108.51,70.01 C146.2
  C1F w1.27: NT2.2 100.33,64.74 103.84,68.26 L11.1 108.26,68.26 C146.2 C145.2
  C4B w0.254: v2(115.9,67.47) 115.9,65.2 115.19,64.5 v2(112.55,64.5)
/Microcontroller, CPLD, USB, Power/REG_OUT2: length 34.4
  C1F w0.508: R47.1 C125.1 114,56.67 112.53,55.2 109.53,55.2 108.51,56.22 C126.1
  C1F w1.27: NT1.2 94.62,62.23 96.52,60.33 99.69,60.33 102.18,57.84 L10.2 108.26,57.84 C126.1 C127.1
